# Allegro board A523-EVB-AXP717C-LPDDR4-4X-32X1-V1-0.brd (continued)
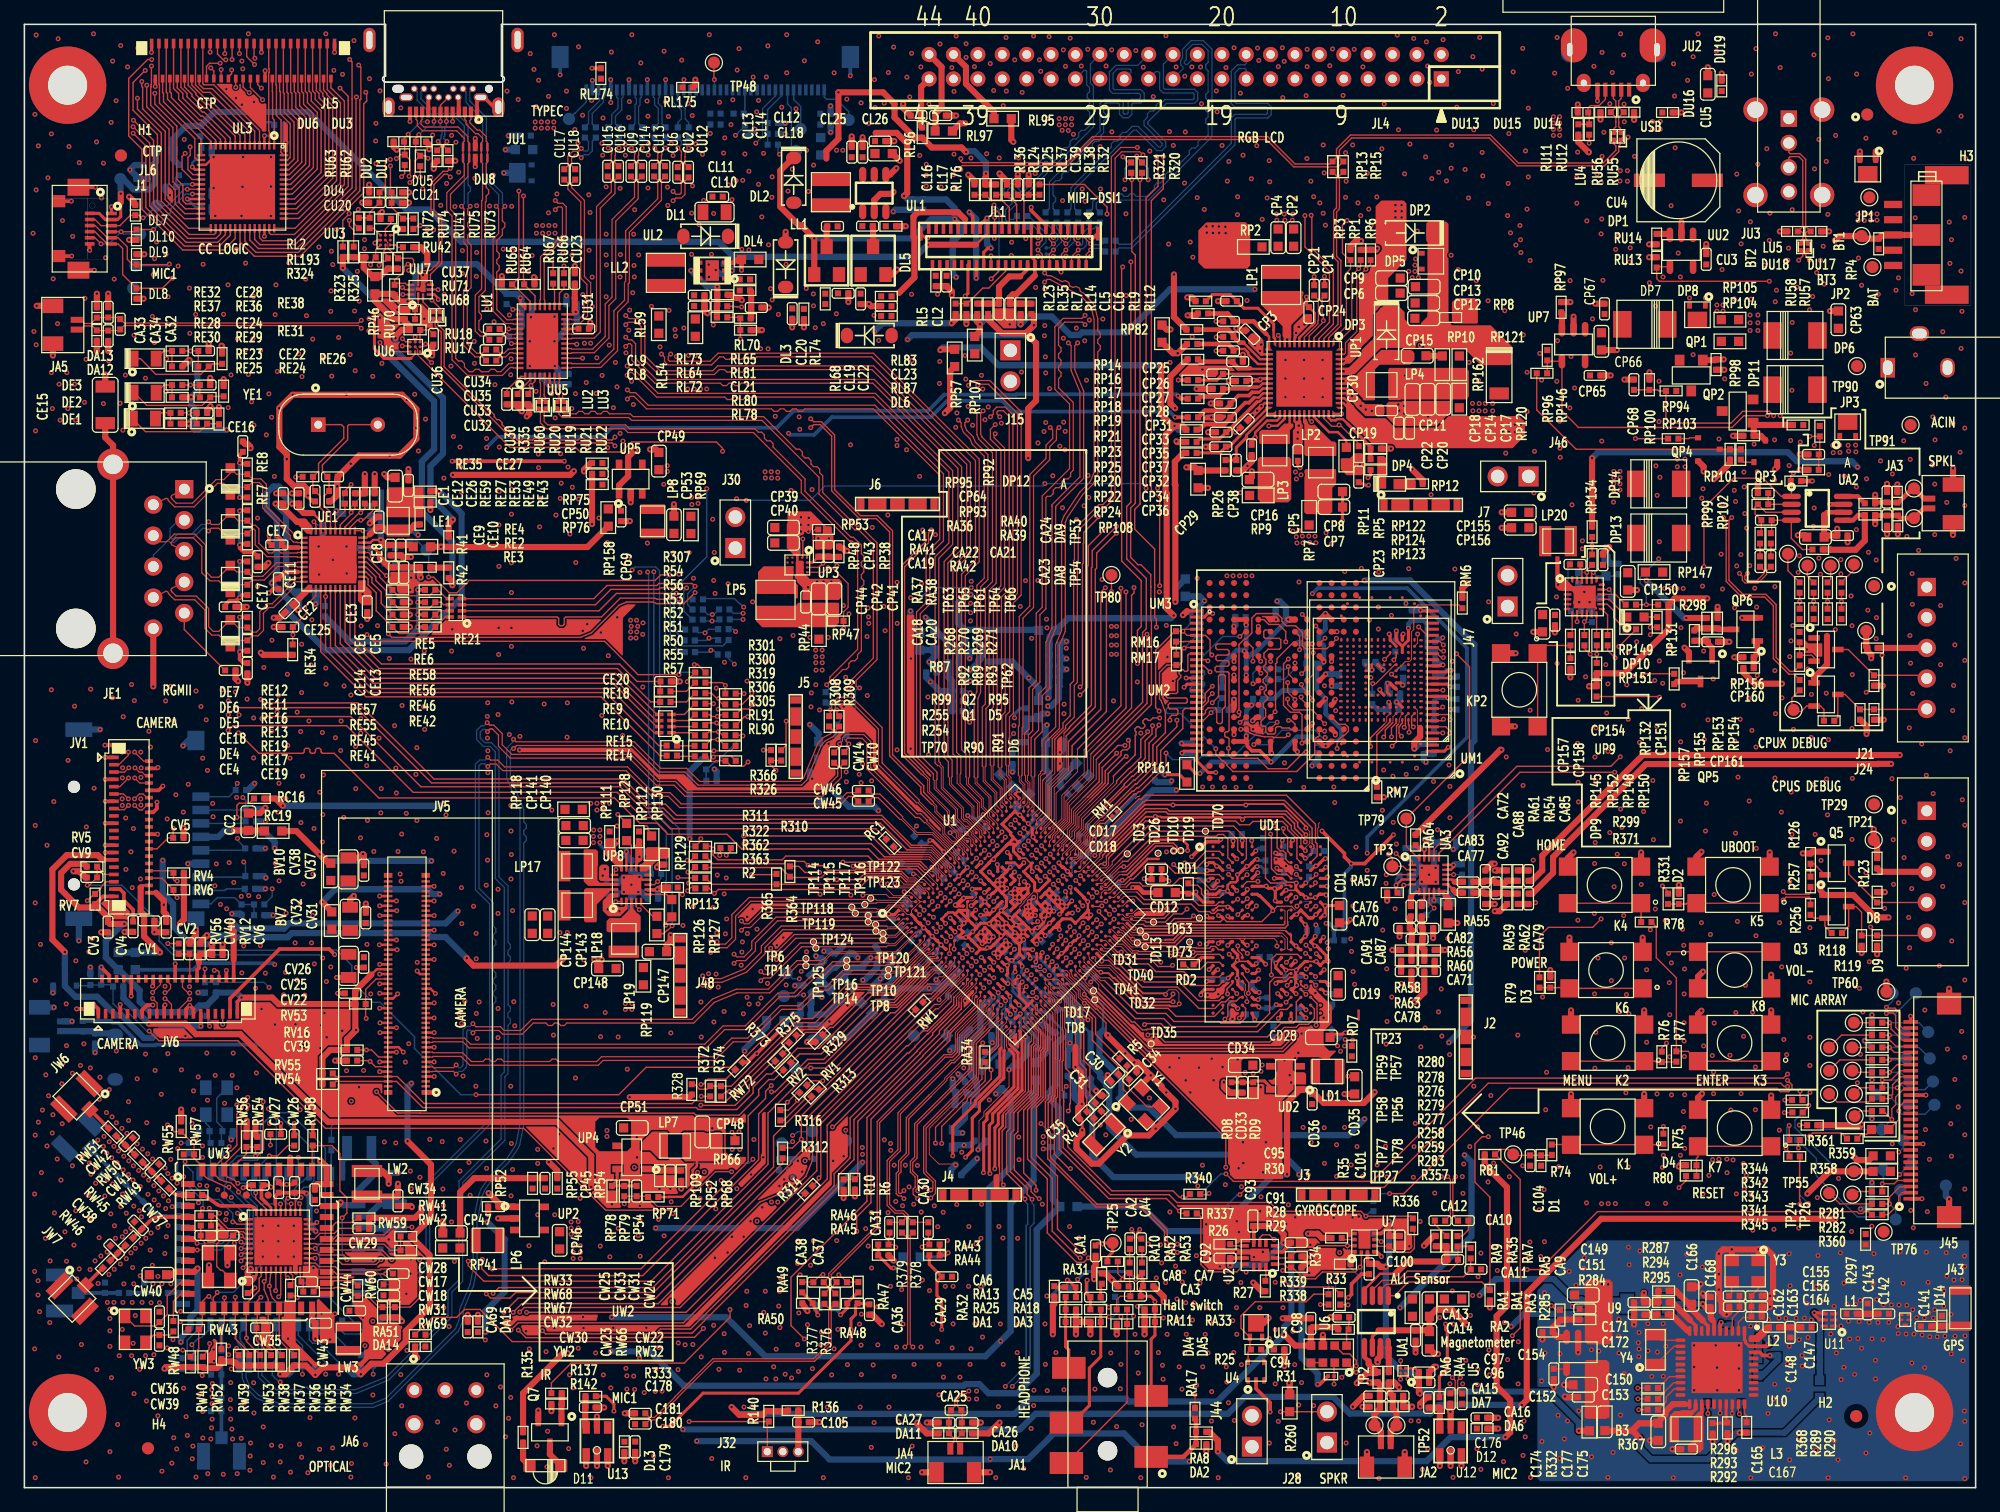
[diagram p0: board, top side]
## Nets
AGND: C63.2 C64.2 C65.2 C66.2 C67.2 C68.2 R14.1 U1.AA3(AGND) U1.U7(VREFN-ADC)
AVCC: C63.1 R6.1 R8.1 R13.1 R81.1 RA8.2 RP82.2 RP85.2 U1.W7(AVCC)
AVDD10: CE7.1 CE11.1 CE12.1 RE4.2 UE1.3(AVDD10 3) UE1.8(AVDD10 8) UE1.38(AVDD10 38)
AVDD33: CE1.1 CE2.1 RE1.2 UE1.11(AVDD33 11) UE1.40(AVDD33 40)
AVDD-LCD: CL12.2 CL15.1 CL18.1 DL2.2 DL3.1 JL1.37 RL1.2 RL63.2 UL1.5(OVR)
DVDD: CA74.1 CA90.1 RA64.2 UA3.19(DVCC)
DVDD10: CE3.2 RE2.2 UE1.21(DVDD10 21)
DVDD33: CE5.1 CE6.1 RE5.2 RE25.2 RE30.2 RE33.1 RE34.1 RE37.2 RE44.2 RE50.2 RE54.2 UE1.29(DVDD33 29)
DVDD-IO: R42.2 RE6.1
DVDDRG: CE13.2 CE14.2 RE6.2 RE39.1 RE42.2 RE46.2 RE48.2 RE52.2 RE56.2 RE58.2 UE1.28(DVDD_RG)
GND: BT3.1(TP) C1.2 C2.2 C3.2 C4.2 C5.2 C6.2 C7.2 C8.2 C9.2 C10.2 C11.2 C12.2 C13.2 C14.2 C15.2 C16.2 C17.2 C18.2 C19.2 C20.2 C21.2 C22.2 C23.2 C24.2 C25.2 C26.2 C27.2 C28.2 C29.2 C30.2 C31.2 C32.2 C33.2 C34.2 C35.2 C36.2 C37.2 C38.2 C39.2 C40.2 C41.2 C42.2 C43.2 C44.2 C45.2 C46.2 C47.2 C48.2 C49.2 C50.2 C51.2 C52.2 C54.2 C55.2 C56.2 C57.2 C58.2 C59.2 C60.2 C61.2 C62.2 C69.2 C70.2 C71.2 C72.2 C73.2 C74.2 C75.2 C76.2 C77.2 C78.2 C79.2 C80.2 C81.2 C82.2 C83.2 C84.2 C85.2 C86.2 C87.2 C88.2 C89.2 C90.2 C91.2 C92.2 C93.2 C94.2 C95.2 C96.2 C97.2 C98.2 C99.2 C100.2 C101.2 C104.1 C105.1 C139.2 C140.2 C174.2 C176.1 C177.2 C178.2 C179.1 C181.2 CA1.2 CA7.2 CA8.2 CA9.2 CA13.2 CA14.2 CA15.2 CA16.2 CA17.2 CA21.2 CA22.2 CA23.2 CA24.2 CA26.2 CA27.1 CA29.1 CA33.1 CA34.2 CA36.1 CA69.2 CA72.2 CA73.2 CA74.2 CA75.2 CA80.2 CA81.2 CA84.2 CA86.2 CA87.1 CA89.2 CA90.2 CA91.2 CA92.1 CA93.2 CC2.2 CD1.2 CD2.2 CD3.2 CD4.2 CD5.2 CD6.2 CD7.2 CD8.2 CD9.2 CD10.2 CD11.2 CD12.2 CD13.2 CD14.2 CD15.2 CD16.2 CD17.2 CD18.2 CD19.2 CD20.2 CD21.2 CD22.2 CD23.2 CD24.2 CD25.2 CD26.2 CD27.2 CD28.2 CD29.2 CD30.2 CD31.2 CD32.2 CD34.2 CD35.2 CD36.2 CE1.2 CE2.2 CE3.1 CE4.2 CE5.2 CE6.2 CE7.2 CE8.2 CE9.2 CE10.2 CE11.2 CE12.2 CE13.1 CE14.1 CE15.1 CE16.2 CE17.2 CE18.2 CE19.2 CE20.2 CE21.2 CE22.2 CE23.2 CE24.2 CE25.1 CE26.2 CE27.2 CE28.2 CL1.2 CL2.2 CL3.2 CL4.2 CL5.2 CL6.2 CL8.2 CL9.2 CL10.2 CL11.2 CL12.1 CL13.2 CL14.2 CL18.2 CL19.2 CL20.2 CL21.2 CL22.2 CL23.2 CL25.1 CL26.2 CL27.2 CL39.2 CL40.2 CL41.2 CL52.2 CL53.2 CL54.2 CL55.2 CL56.2 CL57.2 CL58.2 CL59.2 CM1.2 CM2.2 CM3.2 CM4.2 CM5.2 CM6.2 CM8.2 CM9.2 CM10.2 CM11.2 CM12.2 CM13.2 CM14.2 CM15.2 CM16.2 CM17.2 CP1.2 CP2.2 CP3.2 CP4.2 CP5.2 CP6.1 CP7.2 CP8.2 CP9.1 CP10.1 CP11.2 CP12.1 CP13.1 CP14.1 CP16.2 CP17.1 CP18.1 CP19.2 CP20.2 CP21.2 CP22.2 CP23.2 CP24.2 CP25.2 CP26.2 CP27.2 CP28.2 CP29.2 CP30.2 CP31.2 CP32.2 CP33.2 CP34.2 CP35.2 CP36.2 CP37.2 CP38.2 CP39.2 CP40.2 CP41.2 CP42.2 CP43.1 CP44.2 CP46.2 CP47.2 CP48.2 CP49.2 CP51.2 CP52.1 CP53.2 CP63.2 CP64.1 CP65.1 CP66.1 CP67.1 CP68.1 CP69.1 CP135.2 CP136.2 CP137.2 CP138.2 CP139.2 CP140.2 CP141.2 CP143.2 CP144.2 CP145.2 CP146.2 CP147.2 CP148.2 CP149.2 CP150.2 CP151.2 CP152.2 CP153.2 CP155.2 CP156.2 CP157.2 CP158.2 CP159.2 CP160.2 CP161.2 CU3.1 CU4.2 CU5.1 CU7.2 CU8.2 CU20.1 CU21.1 CU23.1 CU24.1 CU25.1 CU26.1 CU27.1 CU28.1 CU29.1 CU30.1 CU31.1 CU36.1 CU37.1 CV1.2 CV2.2 CV3.2 CV4.2 CV5.2 CV6.2 CV7.2 CV8.2 CV9.2 CV22.1 CV25.1 CV26.1 CV31.1 CV32.1 CV37.1 CV38.1 CV39.2 CV40.2 CW1.2 CW2.1 CW5.2 CW6.1 CW7.2 CW11.1 CW12.1 CW15.2 CW16.1 CW17.1 CW18.1 CW19.1 CW20.1 CW21.1 CW22.1 CW23.2 CW24.2 CW25.2 CW26.2 CW27.2 CW28.2 CW29.2 CW30.2 CW31.2 CW32.2 CW33.2 CW34.2 CW35.1 CW36.2 CW37.1 CW38.1 CW39.2 CW40.2 CW41.1 CW42.1 CW43.1 CW44.1 D1.1(ANODE) D2.1(ANODE) D3.1(ANODE) D4.1(ANODE) D5.1(ANODE) D6.1(ANODE) D7.1 D8.1(ANODE) D9.1(ANODE) D12.1(ANODE) D13.1(ANODE) DA1.1(ANODE) DA2.1(ANODE) DA3.1(ANODE) DA4.1(ANODE) DA5.1(ANODE) DA6.1(ANODE) DA7.1(ANODE) DA8.1(ANODE) DA9.1(ANODE) DA10.1(ANODE) DA11.1(ANODE) DA12.1(ANODE) DA13.1(ANODE) DA14.1(ANODE) DA15.1(ANODE) DC6.1(ANODE) DC7.1(ANODE) DC8.1(ANODE) DC9.1(ANODE) DC10.1(ANODE) DL4.1 DL5.2 DL6.2 DL7.1(ANODE) DL8.1(ANODE) DL9.1(ANODE) DL10.1(ANODE) DL11.1(ANODE) DP1.1 DP1.2 DP5.1 DP5.2 DP8.1 DP8.2 DP9.1(ANODE) DP12.1 DP12.2 DU1.1(ANODE) DU2.1(ANODE) DU3.1(ANODE) DU4.1(ANODE) DU5.1(ANODE) DU6.1(ANODE) DU7.3 DU8.3(GND1) DU8.8(GND2) DU9.3(GND1) DU9.8(GND2) DU13.1(ANODE) DU14.1(ANODE) DU15.1(ANODE) DU16.1(ANODE) DU17.1(ANODE) DU18.1(ANODE) DU19.1(ANODE) DU20.1(ANODE) DU21.1(ANODE) DU22.1(ANODE) H1.1 H3.1 H4.1 J1.1(GND) J1.7 J1.8 J2.1 J2.2 J2.3 J2.4 J2.5 J3.1 J3.2 J3.3 J3.4 J3.5 J4.1 J4.2 J4.3 J4.4 J4.5 J5.1 J5.2 J5.3 J5.4 J5.5 J6.1 J6.2 J6.3 J6.4 J6.5 J7.1 J7.2 J7.3 J7.4 J7.5 J9.2 J9.3 J9.4 J15.1 J21.1 J21.2 J24.1 J24.2 J28.1 J30.2 J32.2(GND) J44.1 J45.1 J45.10 J45.18 J45.30 J45.31 J45.32 J48.1 J48.2 J48.3 J48.4 J48.5 JA2.3 JA2.4 JA3.3 JA3.4 JA4.3 JA4.4 JA5.3 JA5.4 JA6.3(GND) JC1.6(VSS) JC1.10(GND1) JC1.11(GND2) JC1.12(GND3) JC1.13(GND4) JE1.10(GND) JL1.1 JL1.4 JL1.7 JL1.10 JL1.13 JL1.46 JL1.47 JL2.23(18_LCD_GND3) JL2.24(17_LCD_GND2) JL2.25(16_LCD_GND1) JL2.26(15_LCD_GND0) JL2.28(13_BL_GND3) JL2.29(12_BL_GND2) JL2.30(11_BL_GND1) JL2.31(10_BL_GND0) JL2.41(NC14) JL2.42(NC15) JL4.1(GND1) JL4.10(GND2) JL4.19(GND3) JL4.37(AGND) JL4.41(GND4) JL5.1 JL5.20 JL5.21 JL5.50 JL5.51 JL5.52 JL5.53 JL6.6 JL6.7(GND#7) JL6.8(GND#8) JP1.4 JP1.5 JP1.6 JP2.3(GND) JP3.2(GND1) JP3.3(GND2) JU1.1(SHIELD1) JU1.2(SHIELD2) JU1.3(SHIELD3) JU1.4(SHIELD4) JU1.A1(GND2) JU1.A12(GND1) JU1.B1(GND4) JU1.B12(GND3) JU2.5(GND) JU2.6(SHIELD1) JU2.7(SHIELD2) JU2.8(SHIELD3) JU2.9(SHIELD4) JU3.4(GND) JU3.5(SHIELD1) JU3.6(SHIELD2) JU3.7(SHIELD3) JU3.8(SHIELD4) JV1.1(GND0) JV1.4(GND1) JV1.7(GND2) JV1.10(GND3) JV1.13(GND4) JV1.16(GND5) JV1.19(GND6) JV1.22(GND7) JV1.25(GND8) JV1.27(GND9) JV1.40 JV1.41 JV5.1(P1) JV5.7(P7) JV5.10(P10) JV5.13(P13) JV5.14(P14) JV5.18(P18) JV5.19(P19) JV5.20(P20) JV5.25(P25) JV5.26(P26) JV5.28(P28) JV5.30(P30) JV5.31(P31) JV5.36(P36) JV5.37(P37) JV5.40(P40) JV5.42(P42) JV5.43(P43) JV5.46(P46) JV5.49(P49) JV5.50(P50) JV5.54(P54) JV5.55(P55) JV5.60(P60) JV5.61(P61) JV5.62(P62) JV5.64(P64) JV5.67(P67) JV5.73(P73) JV5.74(P74) JV5.76(P76) JV5.78(P78) JV5.79(P79) JV5.80(P80) JV5.82(P82) JV5.85(P85) JV6.1(GND0) JV6.4(GND1) JV6.7(GND2) JV6.10(GND3) JV6.13(GND4) JV6.16(GND5) JV6.19(GND6) JV6.22(GND7) JV6.25(GND8) JV6.27(GND9) JV6.40 JV6.41 JW1.1(G1) JW1.2(G2) JW2.1(G1) JW2.2(G2) JW3.1(G1) JW3.2(G2) JW6.1(G1) JW6.2(G2) JW7.1(G1) JW7.2(G2) K1.2 K1.4 K2.2 K2.4 K3.2 K3.4 K4.2 K4.4 K5.2 K5.4 K6.2 K6.4 K7.2 K7.4 K8.2 K8.4 KP2.2 KP2.4 Q7.2(E) QP3.2(E) QP4.2(E) QP5.2(E) QP6.2(E) QV1.2(SOURCE) R10.2 R11.1 R12.2 R14.2 R17.1 R18.1 R19.1 R20.1 R21.1 R26.1 R27.2 R34.1 R36.2 R91.2 R103.2 R119.2 R142.2 R297.1 R334.2 R335.1 RA3.1 RA25.1 RA31.1 RA32.1 RA33.1 RA36.1 RA45.2 RA50.2 RA56.2 RA58.1 RA59.2 RA61.1 RD9.1 RE26.1 RE31.1 RE38.1 RE40.1 RE41.1 RE43.1 RE45.1 RE47.1 RE49.1 RE51.1 RE53.1 RE55.1 RE57.1 RE59.1 RL5.1 RL35.1 RL36.1 RL37.1 RL38.1 RL70.2 RL73.1 RL74.1 RL76.1 RL87.1 RL174.1 RL176.1 RL190.1 RM5.1 RM6.1 RM7.1 RM10.2 RP4.1 RP48.1 RP52.1 RP53.1 RP54.1 RP75.1 RP78.1 RP93.1 RP97.2 RP98.1 RP100.1 RP101.1 RP109.1 RP123.2 RP133.1 RP135.1 RP136.1 RP146.1 RP154.1 RU13.1 RU14.1 RU60.1 RU64.2 RU65.2 RV14.1 RW18.1 RW42.2 RW43.1 RW47.1 RW56.1 RW57.1 RW58.1 RW59.2 RW73.1 TD26.1(TP) TD35.1(TP) TD47.1(TP) TD49.1(TP) TD53.1(TP) TD54.1(TP) TD72.1(TP) TD73.1(TP) TP29.1(TP) TP60.1(TP) TP66.1(TP) TP76.1(TP) TP91.1(TP) TP102.1(TP) U1.A1(GND0) U1.A2(GND1) U1.A14(AVSS0) U1.A29(GND2) U1.AA6(GND83) U1.AA7(GND84) U1.AA11(GND85) U1.AA17(GND86) U1.AA18(GND87) U1.AA19(GND88) U1.AA20(GND89) U1.AA25(GND90) U1.AA28(GND91) U1.AC13(GND92) U1.AC21(GND93) U1.AC24(GND94) U1.AC27(GND95) U1.AC29(GND96) U1.AD7(GND97) U1.AD23(GND98) U1.AD28(GND99) U1.AE15(GND100) U1.AE17(GND101) U1.AE19(GND102) U1.AF11(GND103) U1.AF13(GND104) U1.AF28(GND105) U1.AG5(GND106) U1.AG7(GND107) U1.AG12(GND108) U1.AG13(GND109) U1.AG14(GND110) U1.AH3(GND111) U1.AH10(GND112) U1.AH16(GND113) U1.AH22(GND114) U1.AH25(GND115) U1.AJ1(GND116) U1.AJ6(GND117) U1.AJ11(GND118) U1.AJ18(GND119) U1.AJ20(GND120) U1.AJ24(GND121) U1.AJ27(GND122) U1.AJ29(GND123) U1.B29(GND3) U1.C3(GND4) U1.C6(GND5) U1.C8(GND6) U1.C10(GND7) U1.C16(AVSS1) U1.C18(AVSS2) U1.C20(AVSS3) U1.C22(AVSS4) U1.C24(GND8) U1.C25(GND9) U1.C26(GND10) U1.C27(GND11) U1.D12(GND12) U1.D14(AVSS5) U1.E3(GND13) U1.E24(GND14) U1.E27(GND15) U1.F16(AVSS6) U1.F18(AVSS7) U1.F20(AVSS8) U1.F22(AVSS9) U1.G3(GND16) U1.G6(GND17) U1.G7(GND18) U1.G23(GND19) U1.G24(GND20) U1.G27(GND21) U1.H9(GND22) U1.H11(GND23) U1.H13(AVSS10) U1.H16(AVSS11) U1.H19(AVSS12) U1.J3(GND24) U1.J10(GND25) U1.J13(AVSS13) U1.J16(AVSS14) U1.J18(AVSS15) U1.J19(AVSS16) U1.J22(GND26) U1.J26(GND27) U1.K9(GND28) U1.K12(GND29) U1.K15(GND30) U1.K16(GND31) U1.K18(GND32) U1.L3(GND33) U1.L6(GND34) U1.L7(GND35) U1.L9(GND36) U1.L13(GND37) U1.L16(GND38) U1.L21(GND39) U1.L23(GND40) U1.M9(GND41) U1.M10(GND42) U1.M16(GND43) U1.M21(GND44) U1.N3(GND45) U1.N7(GND46) U1.N12(GND47) U1.N13(GND48) U1.N15(GND49) U1.N21(GND50) U1.P11(GND51) U1.P13(GND52) U1.R3(GND53) U1.R6(GND54) U1.R7(GND55) U1.R15(GND56) U1.R16(GND57) U1.R23(GND58) U1.R26(GND59) U1.T9(GND60) U1.T10(GND61) U1.T12(GND62) U1.T13(GND63) U1.T19(GND64) U1.U12(GND65) U1.U15(GND66) U1.U19(GND67) U1.U20(GND68) U1.U26(GND69) U1.U28(GND70) U1.V12(GND71) U1.V13(GND72) U1.V15(GND73) U1.V18(GND74) U1.V19(GND75) U1.W1(GND76) U1.W8(GND77) U1.W9(GND78) U1.W12(GND79) U1.W14(GND80) U1.W25(GND81) U1.W29(GND82) U2.6(GND) U3.3(GND) U4.2(GND) U5.A1(VSS) U6.6(GND) U7.4(NC) U7.8(GNDIO) U7.9(GND) U12.1(GND0) U12.2(GND1) U12.3(GND2) U12.5(GND3) U13.1(GND0) U13.2(GND1) U13.3(GND2) U13.5(GND3) UA1.7(GND) UA2.7(GND) UA3.9(AGND) UA3.14(DEV_ID0) UA3.15(DEV_ID1) UA3.21(GND) UD1.A3(VSS0) UD1.A10(VSS1) UD1.AB3(VSS54) UD1.AB5(VSS55) UD1.AB8(VSS56) UD1.AB10(VSS57) UD1.C1(VSS2) UD1.C5(VSS3) UD1.C8(VSS4) UD1.C12(VSS5) UD1.D2(VSS6) UD1.D4(VSS7) UD1.D9(VSS8) UD1.D11(VSS9) UD1.E1(VSS10) UD1.E5(VSS11) UD1.E8(VSS12) UD1.E12(VSS13) UD1.G1(VSS14) UD1.G3(VSS15) UD1.G5(VSS16) UD1.G8(VSS17) UD1.G10(VSS18) UD1.G12(VSS19) UD1.J1(VSS20) UD1.J3(VSS21) UD1.J10(VSS22) UD1.J12(VSS23) UD1.K2(VSS24) UD1.K4(VSS25) UD1.K9(VSS26) UD1.K11(VSS27) UD1.N2(VSS28) UD1.N4(VSS29) UD1.N9(VSS30) UD1.N11(VSS31) UD1.P1(VSS32) UD1.P3(VSS33) UD1.P10(VSS34) UD1.P12(VSS35) UD1.T1(VSS36) UD1.T3(VSS37) UD1.T5(VSS38) UD1.T8(VSS39) UD1.T10(VSS40) UD1.T12(VSS41) UD1.V1(VSS42) UD1.V5(VSS43) UD1.V8(VSS44) UD1.V12(VSS45) UD1.W2(VSS46) UD1.W4(VSS47) UD1.W9(VSS48) UD1.W11(VSS49) UD1.Y1(VSS50) UD1.Y5(VSS51) UD1.Y8(VSS52) UD1.Y12(VSS53) UD2.2(GND) UE1.41(EGND) UL1.2(GND) UL2.3(GND) UL2.7(EPAD) UL3.17(DVSS) UL3.40(AVSS) UL3.57(GND) UM1.AA4(VSSQ4) UM1.AA6(VSSQ5) UM1.K4(VSSQ1) UM1.M7(VSS1) UM1.P5(VSS2) UM1.R10(VSS3) UM1.U8(VSS6) UM1.Y2(VSSQ2) UM1.Y5(VSSQ3) UM2.D6(VSS0) UM2.E3(VSSQ0) UM2.E5(VSSQ1) UM2.E9(VSSQ2) UM2.E11(VSSQ3) UM2.G3(VSSQ4) UM2.G11(VSSQ5) UM2.J3(VSS1) UM2.J11(VSS2) UM2.L3(VSSQ6) UM2.L11(VSSQ7) UM2.N3(VSSQ8) UM2.N5(VSSQ9) UM2.N9(VSSQ10) UM2.N11(VSSQ11) UM2.P8(VSS3) UM3.2(NC2) UM3.13(VSS1) UM3.23(NC8) UM3.25(NC10) UM3.36(VSS2) UM3.48(NC22) UP1.8(GND) UP1.53(EPAD) UP2.2(GND) UP3.B2(GND1) UP3.B3(GND2) UP3.B4(AGND) UP3.C1(GND3) UP3.C2(GND4) UP3.C3(GND5) UP3.C4(GND6) UP4.2(GND) UP5.2(GND) UP7.2(GND) UP8.9(GND) UP8.21(EPAD) UP9.1(GND1) UP9.2(GND2) UP9.25(EP) UU2.2(GND) UU3.C2(GND) UU5.41(EPAD) UU6.C2(GND) UU7.6(GND) UW1.1(GND1) UW1.3(GND2) UW1.4(GND3) UW1.5(GND4) UW1.6(GND5) UW1.7(GND6) UW1.8(GND7) UW1.10(GND8) UW1.11(GND9) UW1.23(GND10) UW1.27(GND11) UW1.30(GND12) UW1.32(GND13) UW1.39(GND14) UW2.19(WHOSTSEL) UW2.41(EPAD) UW3.1(GND1) UW3.3(GND2) UW3.20(GND3) UW3.31(GND4) UW3.33(GND5) UW3.36(GND6) Y1.2(GND1) Y1.4(GND2) YW1.2(GND1) YW1.4(GND2) YW2.2(GND1) YW2.4(GND2) YW3.2(GND1) YW3.4(GND2)
VBAT: BT1.1(TP) CP20.1 CP22.1 DP1.3 J47.2 JP1.1 JP1.2 JP1.7 JP2.1(BAT) R370.2 RA2.1 RL59.1 UP1.41(BAT_1) UP1.42(BAT_2)
VBUS: CP6.2 CP9.2 DP2.1 DP6.2 DP11.2 QP2.2(SOURCE) RP12.1 RP104.2 RP105.2 UP1.49(VBUS_1) UP1.50(VBUS_2)
VCC33-18-USB: C139.1 R16.1 R266.1 U1.H18(VCC33-18-USB)
VCC33-18-USB-2: C140.1 R15.2 R267.2 U1.E16(VCC33-18-USB-2)
VCC33-EPHY: R41.2 RE1.1 RE5.1 RP158.2
VCC33-USB: C72.1 R16.2 RP33.2 RP81.2 U1.H17(VCC33-USB)
VCC-1V8: R266.2 R267.1 RA64.1 RL12.1 RL14.1 RL95.2 RL177.2 RP67.1
VCC-3V3: BV10.2 C91.1 C92.1 C93.1 C96.1 C97.1 C98.1 C100.1 C101.1 CM1.1 CM6.1 CM9.1 CM10.1 CM13.1 CM14.1 CU23.2 CU24.2 CU25.2 CU26.2 CU27.2 CU28.2 CU29.2 R30.2 R35.2 R41.1 R95.1 R123.1 R135.2 R136.2 R140.2 R358.1 R367.2 RA55.1 RC19.1 RP46.1 RU10.1 RU42.2 RU59.1 RU61.2 RU68.2 RU69.2 RU70.2 RU71.1 TP21.1(TP) TP55.1(TP) TP62.1(TP) U2.5(VDDIO) U2.8(VDD) U2.12(CS) U5.B1(VDD) U6.5(LEDA) U7.3(VDDIO) U7.7(VDD) UM1.M6(VCC1) UM1.N5(VCC2) UM1.T10(VCC3) UM1.U9(VCC4) UM2.D8(VCC0) UM2.J4(VCC1) UM2.J10(VCC2) UM2.P6(VCC3) UM3.1(RES#) UM3.12(VCC1) UM3.24(NC9) UM3.37(VCC2) UU5.6(VDD33) UU5.20(VDD/VDD33_0) UU5.28(VDD/VDD33_1)
VCC-5V: BV7.2 CA69.1 CP65.2 CU3.2 DA15.2(CATHODE) JA6.2(VCC) R359.1 RA1.1 RL97.2 RP8.1 RU41.2 UP7.5(IN) UU2.5(IN)
VCC-CARD-3V3: CC2.1 DU21.2(CATHODE) JC1.4(VDD) RC19.2
VCC-CTP1: BL1.2 CL4.1 CL55.1 DL11.2(CATHODE) J1.2(VCC-CTP) JL6.1 TP81.1(TP)
VCC-DRAML: CD8.1 CD9.1 CD10.1 CD11.1 CD19.1 CD20.1 CD21.1 CD22.1 CD23.1 CD24.1 CD25.1 CD28.1 CD29.1 CD30.1 CD31.1 CD32.1 RD3.2 RD4.2 RD5.2 RD7.2 RD10.1 U1.Y14(VCC-DRAML0) U1.Y15(VCC-DRAML1) U1.Y16(VCC-DRAML2) U1.Y17(VCC-DRAML3) U1.Y19(VCC-DRAML4) UD1.AA3(VDDQ-16) UD1.AA5(VDDQ-17) UD1.AA8(VDDQ-18) UD1.AA10(VDDQ-19) UD1.B3(VDDQ-0) UD1.B5(VDDQ-1) UD1.B8(VDDQ-2) UD1.B10(VDDQ-3) UD1.D1(VDDQ-4) UD1.D5(VDDQ-5) UD1.D8(VDDQ-6) UD1.D12(VDDQ-7) UD1.F3(VDDQ-8) UD1.F10(VDDQ-9) UD1.U3(VDDQ-10) UD1.U10(VDDQ-11) UD1.W1(VDDQ-12) UD1.W5(VDDQ-13) UD1.W8(VDDQ-14) UD1.W12(VDDQ-15)
VCC-LCD: CL13.1 CL14.1 CL40.1 CL41.1 JL2.18(23_LCD_VCC3) JL2.19(22_LCD_VCC2) JL2.20(21_LCD_VCC1) JL2.21(20_LCD_VCC0) LL1.1 RL7.1 RL9.1 RL23.2 RL24.2 RL25.2 RL78.2 RL96.1 RL175.1 RP107.2 RP108.2 UL1.4(EN) UL1.6(VDD)
VCC-PC: CM2.1 CM7.1 CM8.1 CM11.1 CM12.1 CM15.1 CM16.1 RM4.2 RM8.2 RM9.2 RM11.2 RM12.2 RM13.2 RM14.2 RM15.2 RP29.2 RP57.2 RP161.1 UM1.AA3(VCCQ4) UM1.AA5(VCCQ5) UM1.K6(VCCQ1) UM1.W4(VCCQ2) UM1.Y4(VCCQ3) UM2.D3(VCCQ0) UM2.D4(VCCQ1) UM2.D10(VCCQ2) UM2.D11(VCCQ3) UM2.G4(VCCQ4) UM2.G10(VCCQ5) UM2.L4(VCCQ6) UM2.L10(VCCQ7) UM2.P3(VCCQ8) UM2.P4(VCCQ9) UM2.P10(VCCQ10) UM2.P11(VCCQ11) UM3.34(NC15) UM3.39(NC17)
VCC-PC-SOC: C48.1 RP161.2 U1.N22(VCC-PC)
VCC-PE-SOC: C52.1 RP159.2 U1.J6(VCC-PE)
VCC-PG: C54.1 RP27.2 RW72.2 U1.N6(VCC-PG)
VCC-PK: C57.1 RP40.2 RP106.2 U1.J7(VCC-PK)
VCC-PL-SOC: C59.1 RP160.1 U1.AA9(VCC-PL)
VCC-PLL: C21.1 R260.2 RP83.2 U1.AB13(VCC-PLL)
VCC-PM: C60.1 RP31.2 RP125.2 RW31.2 RW69.2 U1.AC7(VCC-PM)
VCC-RTC: C20.1 CP23.1 RP3.1 RP5.1 RP11.2 RP129.1 U1.AA10(VCC-RTC)
VCC-WIFI-PWREN: R343.1 RP52.2 UP2.1(EN)
VDD09-USB: C74.1 RP30.2 RP49.2 U1.H15(VDD09-USB)
VDD-CPUBFB: RP47.1 U1.M19(VDD-CPUBFB) UP3.A4(VOUT) UP8.1(DCDC2) UP8.16(DCDC1)
VDD-CPULFB: U1.V16(VDD-CPULFB) UP1.12(FB1)
VDD-DE: C36.1 C37.1 RP43.2 U1.K19(VDD-DE0) U1.L18(VDD-DE1) U1.L19(VDD-DE2)
VDD-DNRFB: CP54.2 RP71.1 RP79.2 U1.W10(VDD-DNRFB) UP8.4(DCDC3)
VDD-GPU: C38.1 C39.1 C40.1 C41.1 C42.1 RP39.2 U1.N8(VDD-GPU0) U1.N10(VDD-GPU1) U1.P9(VDD-GPU2) U1.P10(VDD-GPU3)
VDD-SYSFB: U1.L15(VDD-SYSFB) UP1.34(FB2)
VDD-VE: C32.1 C33.1 RP42.2 U1.K10(VDD-VE0) U1.L10(VDD-VE1)
VDDI-EMMC: CM3.1 CM4.1 UM1.K2(VDDI)
323-ALDO1: RP111.1
323-DCDC1/2: CP140.1 CP141.1 CP143.1 CP144.1 LP17.2 LP18.2 RP118.1
323-DCDC3: CP147.1 CP148.1 LP19.2 RP119.1
323-DLDO1: RP112.1
323-RTCLDO: RP113.1
AC-IN: CP63.1 DP6.1 DP11.1 DP12.3 JP3.1(IN) RP92.2 RP95.2 TP90.1(TP)
ACIN-DET: CP64.2 R363.1 RP92.1 RP93.2
AECLN: CA83.2 UA3.12(MIC2N)
AECLP: CA77.2 UA3.11(MIC2P)
AECRN: CA76.2 UA3.6(MIC1N)
AECRP: CA70.2 UA3.7(MIC1P)
AFVCC-CSI: CV1.1 JV1.36(AF_VDD28) JV6.36(AF_VDD28) RP139.2 RP142.2
ALDO1: CV2.1 JV1.38(AVDD28) JV6.38(AVDD28) RP14.1
ALDO2: CV3.1 CV22.2 JV1.39(DOVDD18) JV5.52(P52) JV6.39(DOVDD18) R328.1 R329.1 RP16.1 RP139.1 RP159.1 RV3.1 RV4.1 RV5.1 RV6.1 RV7.1 RV8.1 RV16.1 RV53.1 RV54.1 RV55.1
ALDO3: C94.1 Q3.1(G) Q5.1(G) R25.2 R105.2 R107.2 R112.2 R126.1 R128.2 R131.2 R133.2 R134.2 R369.2 RP1.1 RP6.1 RP17.1 RP81.1 RP125.1 RP156.2 RP160.2 RV13.1 U3.1(VDD) U4.4(VDD)
ALDO4: C22.1 CD17.1 CD18.1 RD6.1 RP18.1 RP82.1 RP83.1 U1.AA12(VCC-DCXO) U1.AA21(VDD18-DRAM)
ALDO-OUT: C62.1 R143.2 RP85.1 U1.AE3(ALDO-OUT)
ANT0: RW33.2 RW49.1 UW3.2(WL_BT_ANT)
AP6275P-XTAL-IN: RW7.1 UW1.14(XTAL_XON)
AP6275P-XTAL-OUT: RW8.1 UW1.13(XTAL_XOP)
AP-CK24M-OUT: RW68.2 U1.AH14(REFCLK-OUT)
AP-CK32K-OUT: RW11.1 RW31.1 RW32.1 RW60.1 RW69.1 U1.AG11(X32KFOUT)